# Altium PCB 掌控拓展板Ⅰ V2.1.PcbDoc (part 1 of 2)
Units mm, origin at the board's own origin, x right, y up, seen from the top; angles counter-clockwise.
Board outline 51.8 x 47.39 mm, 2 copper layers (Top Layer, Bottom Layer); 114 components, 77 nets, 340 pads, 218 vias.
Unrouted connection lines stored in the file: 2.
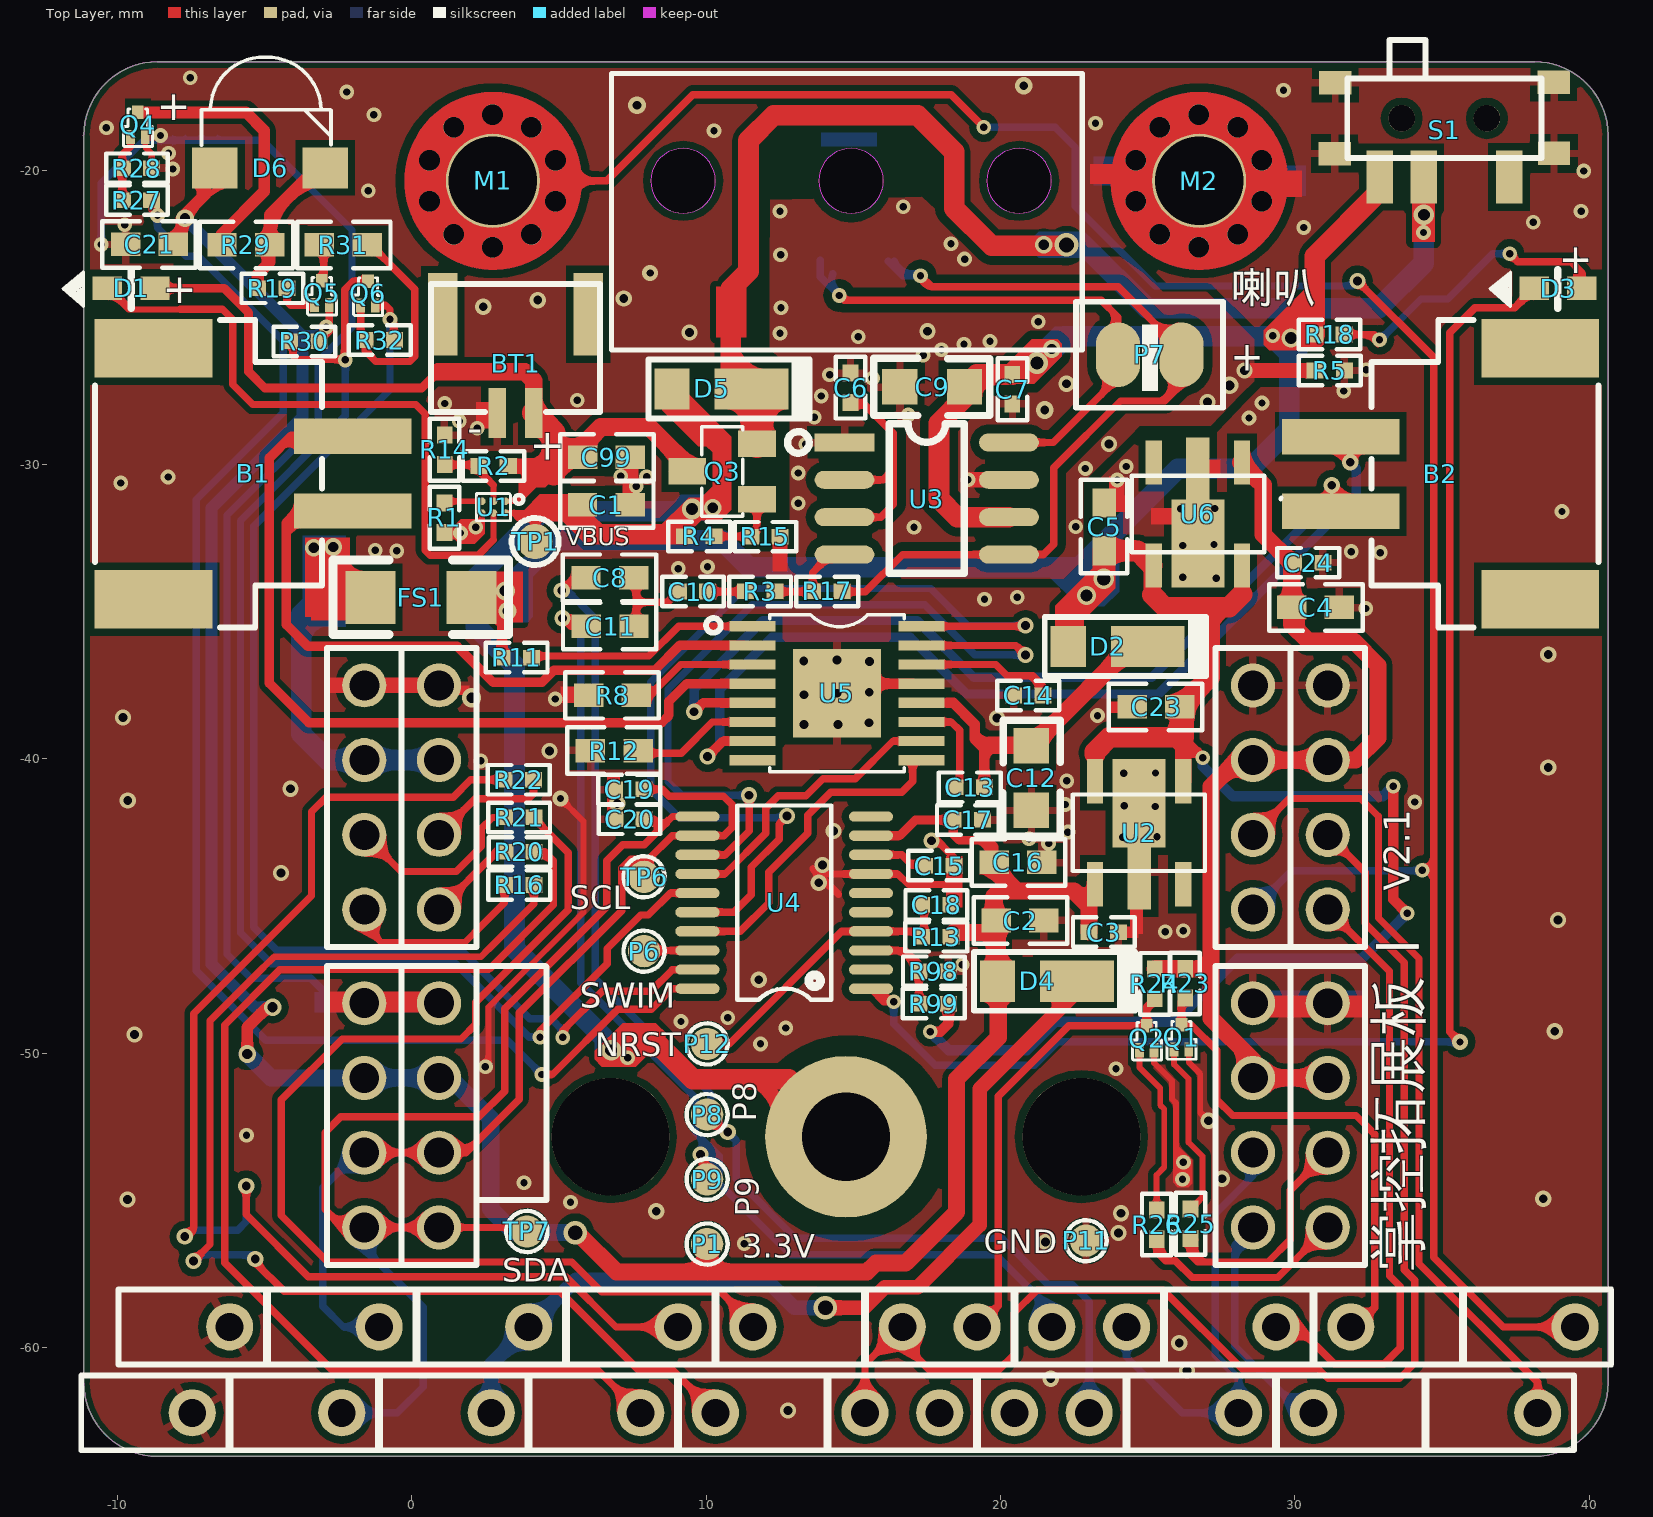
[diagram p0: Top Layer view]
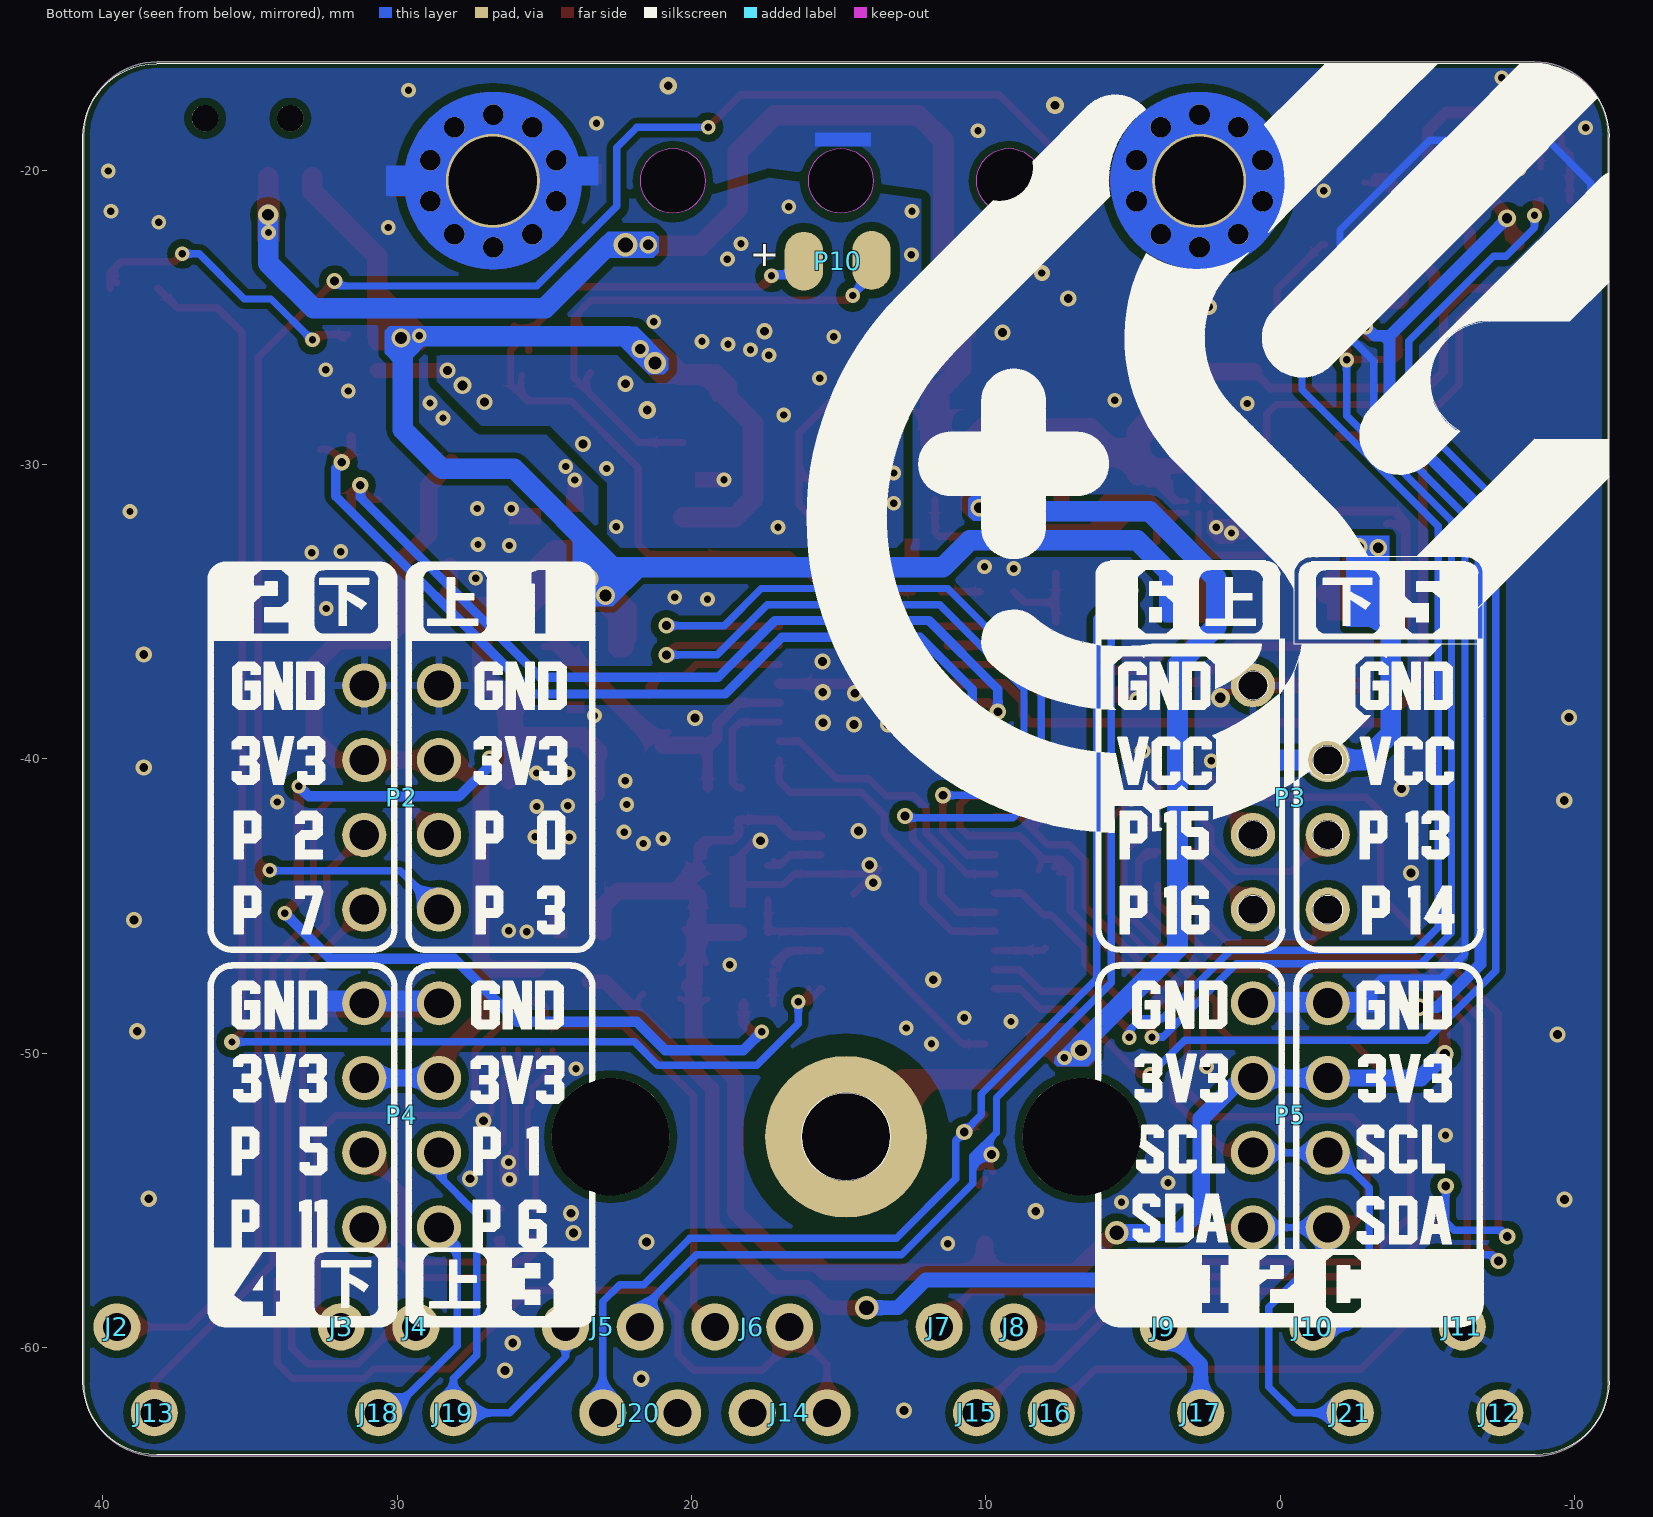
[diagram p1: Bottom Layer view, seen from below]

## Layer stack, top to bottom
Top Solder: solder mask 0.0102, Solder Resist, Dk 3.5
Top Layer: signal copper 0.0356
Dielectric 1: dielectric 0.32, FR-4, Dk 4.8
Bottom Layer: signal copper 0.0356
Bottom Solder: solder mask 0.0102, Solder Resist, Dk 3.5

## Board outline
-11.15,-61.2 ccw(c-8.643,-61.193) -8.65,-63.7 38.15,-63.7 ccw(c38.143,-61.192) 40.65,-61.2 40.65,-18.812 ccw(c38.143,-18.819) 38.15,-16.312 -8.65,-16.312 ccw(c-8.643,-18.82) -11.15,-18.812

## Design rules (kind name [scope] priority, off if disabled: settings)
Clearance Clearance_3 [InNet('AU_GND')] p1: gap=0.3 ignorepadtopadclearanceinfootprint=FALSE except(0: Arc-Hole Track-Hole SMDPad-Hole THPad-Hole Via-Hole Fill-Hole Poly-Hole Region-Hole Text-Hole)
Clearance Clearance_2 [IsVia] p2: gap=0.25 ignorepadtopadclearanceinfootprint=FALSE except(0: Arc-Hole Track-Hole SMDPad-Hole THPad-Hole Via-Hole Fill-Hole Poly-Hole Region-Hole Text-Hole)
Clearance Clearance_1 [IsPad] p3: gap=0.25 ignorepadtopadclearanceinfootprint=FALSE except(0: Arc-Hole Track-Hole SMDPad-Hole THPad-Hole Via-Hole Fill-Hole Poly-Hole Region-Hole Text-Hole)
Clearance [All] p4: gap=0.2 ignorepadtopadclearanceinfootprint=FALSE except(0: Arc-Hole Track-Hole SMDPad-Hole THPad-Hole Via-Hole Fill-Hole Poly-Hole Region-Hole Text-Hole)
PolygonConnect PolygonConnect_1 [IsVia] p1: connectstyle=Direct reliefconductorwidth=0.254 reliefentries=4 polygonreliefangle="90 Angle" airgapwidth=0.254
PolygonConnect [All] p2: connectstyle=Relief reliefconductorwidth=0.254 reliefentries=4 polygonreliefangle="90 Angle" airgapwidth=0.254
RoomDefinition Designator_3 [InComponentClass('Designator')] p1: confinementstyle=ConfineIn formatcopy=TRUE lockcomponents=FALSE outline -83.012,-124.865 -32.212,-124.865 -32.212,-99.465 -83.012,-99.465
RoomDefinition Designator_2 [InComponentClass('Designator')] p2: confinementstyle=ConfineIn formatcopy=TRUE lockcomponents=FALSE outline -83.012,-124.865 -32.212,-124.865 -32.212,-99.465 -83.012,-99.465
RoomDefinition Designator_1 [InComponentClass('Designator')] p3: confinementstyle=ConfineIn formatcopy=TRUE lockcomponents=FALSE outline -83.012,-124.865 -32.212,-124.865 -32.212,-99.465 -83.012,-99.465
RoomDefinition Designator [InComponentClass('Designator')] p4: confinementstyle=ConfineIn formatcopy=TRUE lockcomponents=FALSE outline -83.012,-124.865 -32.212,-124.865 -32.212,-99.465 -83.012,-99.465
RoutingVias [All] p1: holewidth=0.711 width=1.27 viastyle="Through Hole" minholewidth=0.711 minwidth=1.27 maxholewidth=0.711 maxwidth=1.27
SolderMaskExpansion [All] p1: expansion=0.102 istentingtop=FALSE
Width Width_13 [InNet('3V3_2')] p1: maxlimit=0.58 minlimit=0.25 preferedwidth=0.58 minimp=50.000000 maximp=50.000000 favimp=50.000000
Width Width_12 [InNet('NetD4_C')] p2: maxlimit=0.5 minlimit=0.5 preferedwidth=0.5
Width Width_11 [InNet('3V3_1')] p3: maxlimit=0.58 minlimit=0.25 preferedwidth=0.58 minimp=50.000000 maximp=50.000000 favimp=50.000000
Width Width_10 [InNet('NetD3_C')] p4: maxlimit=0.258 minlimit=0.258 preferedwidth=0.258
Width Width_9 [InNet('NetB2_2')] p5: maxlimit=0.32 minlimit=0.32 preferedwidth=0.32
Width Width_8 [InNet('NetB2_1')] p6: maxlimit=0.32 minlimit=0.32 preferedwidth=0.32
Width Width_7 [InNet('NetB1_2')] p7: maxlimit=0.32 minlimit=0.32 preferedwidth=0.32
Width Width_4 [InNet('NetB1_1')] p8: maxlimit=0.32 minlimit=0.32 preferedwidth=0.32
Width Width_6 [InNet('3V3_MCU')] p9: maxlimit=0.4 minlimit=0.4 preferedwidth=0.4
Width Width_5 [InNet('NetD5_C')] p10: maxlimit=1 minlimit=0.2 preferedwidth=0.7 minimp=50.000000 maximp=50.000000 favimp=50.000000
Width Width_3 [InNet('3V3')] p11: maxlimit=0.55 minlimit=0.25 preferedwidth=0.55 minimp=50.000000 maximp=50.000000 favimp=50.000000
Width Width_2 [InNet('VCC')] p12: maxlimit=1 minlimit=0.35 preferedwidth=0.7 minimp=50.000000 maximp=50.000000 favimp=50.000000
Width Width_1 [InNet('NetBT1_1')] p13: maxlimit=1 minlimit=0.2 preferedwidth=0.6 minimp=50.000000 maximp=50.000000 favimp=50.000000
Width [All] p14: maxlimit=1 minlimit=0.2 preferedwidth=0.25 minimp=50.000000 maximp=50.000000 favimp=50.000000
30 further rules are at their usual default settings.

## Classes and differential pairs
component class Designator: D4 FS1 J2 J3 J4 J5 J6 J7 J8 J9 J10 J11 J12 J13 J14 J15 J16 J17 J18 J19 J20 J21 M1 M2 P2 P3 P4 P5 Q1 Q2 R16 R20 R21 R22 R23 R24 R25 R26

## Components (designator, comment, footprint, x,y, rotation, side; value= is the part's Value field where it differs from the comment)
B1 "N20" 2PIN/2.54MM座子 -5.398,-30.312 r270 top locked
B2 "N20" 2PIN/2.54MM座子 34.95,-30.312 r90 top locked
BT1 "3.7V,350mAh" 立式CH1.25MM/2P 3.52,-26.567 r180 top locked
C1 "10uF" C0603 6.606,-31.361 r0 top
C2 "10uF" 0603 20.664,-45.492 r0 top
C3 "0.1uF" 0402 23.513,-45.887 r0 top
C4 "10uF" 0603 30.708,-34.853 r0 top
C5 "10uF" 0603 23.519,-32.115 r90 top
C6 "1uF" 0402 14.904,-27.384 r90 top
C7 "0.1uF" 0402 20.405,-27.438 r90 top
C8 "1uF" 0603 6.724,-33.844 r180 top
C9 "47uF" 0805 17.679,-27.355 r180 top
C10 "0.1uF" 0402 9.551,-34.313 r180 top
C11 "1uF" 0603 6.736,-35.49 r180 top
C12 "47UF" 0805 21.047,-40.649 r270 top
C13 "0.01uF" 0402 18.954,-40.964 r180 top
C14 "2.2uF" 0402 20.945,-37.845 r180 top
C15 "0.68uF" 0402 17.915,-43.625 r180 top
C16 "10uF" 0603 20.592,-43.52 r0 top
C17 "0.1uF" 0402 18.893,-42.072 r0 top
C18 "0.1uF" 0402 17.823,-44.962 r0 top
C19 "30pF" 0402 7.388,-41.032 r180 top
C20 "30pF" 0402 7.394,-42.052 r180 top
C21 "10uF" C0603 -8.919,-22.519 r180 top
C23 "10uF" 0603 25.288,-38.235 r180 top (schematic designator C12)
C24 "0.1uF" 0402 30.458,-33.333 r0 top
C99 "4.7uF" C0603 6.608,-29.753 r0 top (schematic designator C21)
D1 "红" 0603LED -9.541,-24.01 r0 top (schematic designator D4)
D2 "SBR2U30P1" POWERDI123 23.652,-36.179 r0 top
D3 "绿" 0603LED 38.949,-24.012 r0 top (schematic designator D2)
D4 "SBR2U30P1" POWERDI123 21.249,-47.558 r0 top
D5 "SBR2U30P1" POWERDI123 10.188,-27.428 r0 top
D6 "红外发射管" 贴片发射管 -4.823,-19.916 r0 top
FS1 "MF-NSMF200-2" R1206 0.301,-34.51 r0 top
J2 "" 顶针座子（2.54MM）#1 38.254,-59.304 r180 bottom locked
J3 "" 顶针座子（2.54MM）#2 33.174,-59.304 r180 bottom locked
J4 "" 顶针座子（2.54MM）#1 28.094,-59.304 r180 bottom locked
J5 "" 顶针座子（2.54MM）#3 23.014,-59.304 r180 bottom locked
J6 "" 顶针座子（2.54MM）#3 17.934,-59.304 r180 bottom locked
J7 "" 顶针座子（2.54MM）#2 12.854,-59.304 r180 bottom locked
J8 "" 顶针座子（2.54MM）#1 7.774,-59.304 r180 bottom locked
J9 "" 顶针座子（2.54MM）#1 2.694,-59.304 r180 bottom locked
J10 "" 顶针座子（2.54MM）#1 -2.386,-59.304 r180 bottom locked
J11 "" 顶针座子（2.54MM）#1 -7.466,-59.304 r180 bottom locked
J12 "" 顶针座子（2.54MM）#1 -8.736,-62.224 r180 bottom locked
J13 "" 顶针座子（2.54MM）#1 36.984,-62.224 r180 bottom locked
J14 "" 顶针座子（2.54MM）#3 16.664,-62.224 r180 bottom locked
J15 "" 顶针座子（2.54MM）#2 11.584,-62.224 r180 bottom locked
J16 "" 顶针座子（2.54MM）#1 6.504,-62.224 r180 bottom locked
J17 "" 顶针座子（2.54MM）#1 1.424,-62.224 r180 bottom locked
J18 "" 顶针座子（2.54MM）#2 31.904,-62.224 r180 bottom locked
J19 "" 顶针座子（2.54MM）#1 26.824,-62.224 r180 bottom locked
J20 "" 顶针座子（2.54MM）#3 21.744,-62.224 r180 bottom locked
J21 "" 顶针座子（2.54MM）#1 -3.656,-62.224 r180 bottom locked
M1 "" 3MM螺丝孔 2.75,-20.357 r180 top
M2 "" 3MM螺丝孔 26.75,-20.357 r180 top locked
P1 "3V3_1" 测试点#1 10.029,-56.487 r0 top
P2 "Header 4X2" 双拼弯角排针2.54/4P#1 29.85,-41.312 r90 bottom locked
P3 "Header 4X2" 双拼弯角排针2.54/4P#1 -0.349,-41.311 r90 bottom locked
P4 "Header 4X2" 双拼弯角排针2.54/4P#1 29.85,-52.112 r90 bottom locked
P5 "Header 4X2" 双拼弯角排针2.54/4P#2 -0.352,-51.91 r90 bottom locked
P6 "SWIM" 测试点#1 7.886,-46.532 r0 top
P7 "speaker" 焊盘#1 25.061,-26.267 r0 top (schematic designator BT1)
P8 "" 测试点#1 10.029,-52.087 r0 top
P9 "" 测试点#1 10.029,-54.287 r0 top
P10 "speaker" 焊盘#2 14.922,-20.357 r180 bottom (schematic designator BT1)
P11 "GND" 测试点#1 22.908,-56.373 r0 top (schematic designator P8)
P12 "NRST" 测试点#1 10.029,-49.687 r0 top (schematic designator P8)
Q1 "J3Y" "DFN 3L" 26.147,-49.457 r0 top
Q2 "J3Y" "DFN 3L" 24.968,-49.487 r0 top
Q3 "SI2301" SOT23-3 10.541,-30.233 r90 top
Q4 "J3Y" "DFN 3L" -9.314,-18.447 r0 top
Q5 "2TY" "DFN 3L" -3.063,-24.164 r0 top
Q6 "J3Y" "DFN 3L" -1.495,-24.179 r0 top
R1 "120K" R0402 1.106,-31.803 r270 top
R2 "0R" R0402 2.773,-30.047 r0 top
R3 "1K" 0402 11.832,-34.308 r180 top
R4 "1k" R0402 9.762,-32.44 r0 top
R5 "0R" 0402 31.19,-26.803 r0 top
R8 "0.2R" R0603 6.818,-37.839 r180 top
R11 "47K" 0402 3.557,-36.559 r180 top
R12 "0.2R" R0603 6.875,-39.719 r180 top
R13 "10K" 0402 17.819,-46.045 r0 top
R14 "NC" R0402 1.11,-29.498 r270 top
R15 "10k" R0402 12.013,-32.45 r0 top
R16 "200R" 0402 3.647,-44.285 r0 top
R17 "6.81K" 0402 14.112,-34.308 r180 top
R18 "2.2K" 0402 31.18,-25.578 r180 top
R19 "10K" R0402 -4.741,-24.009 r0 top
R20 "200R" 0402 3.654,-43.156 r180 top
R21 "200R" 0402 3.641,-41.99 r0 top
R22 "200R" 0402 3.628,-40.709 r0 top
R23 "NC" 0402 26.272,-47.632 r90 top
R24 "NC" 0402 25.247,-47.647 r90 top
R25 "1K" 0402 26.457,-55.8 r270 top
R26 "1K" 0402 25.308,-55.824 r270 top
R27 "1k" R0402 -9.344,-21.013 r0 top
R28 "100k" R0402 -9.344,-19.928 r180 top
R29 "5R" R0603 -5.644,-22.534 r0 top
R30 "10K" R0402 -3.656,-25.815 r0 top
R31 "5R" R0603 -2.332,-22.534 r0 top
R32 "2.2K" R0402 -1.096,-25.766 r180 top
R98 "200K" R0402 17.737,-47.216 r0 top (schematic designator R22)
R99 "200K" R0402 17.73,-48.317 r180 top (schematic designator R22)
S1 "SW-SPDT" MSK-12C01-07(1P2T) 35.084,-18.617 r0 top locked
TP1 "VIN" 测试点#2 4.186,-32.614 r0 top
TP6 "SCL" 测试点#1 7.886,-44.009 r180 top
TP7 "SDA" 测试点#1 3.907,-56.059 r180 top
U1 "SGM40567-4.3" SGM40567 2.772,-31.447 r270 top (schematic designator U7)
U2 "CE6210B33P" SOT89-5 24.711,-42.512 r0 top
U3 "MIX2002" SOP-8 17.493,-31.153 r0 top
U4 "'STM8S003F3P6" TSSOP-20 12.65,-44.885 r180 top (schematic designator U8)
U5 "DRV8833" "HTSSOP -16(PWP)" 14.443,-37.77 r270 top (schematic designator U6)
U6 "CE6210B33P" SOT89-5 26.705,-31.677 r180 top

## Footprints (in the part's own frame and the unit in brackets; to place one, negate y for a bottom-side part, rotate by r counter-clockwise, add the part's x,y. Pads: shape width x height; smd on the part's side, far side on the other; paste and mask are expansions set on the pad)
2PIN/2.54MM座子 [mm]
  rect 1.2x4 smd: 1(1.264,3.387) 2(-1.276,3.387)
  rect 2x4 smd: ""(-4.264,-3.387) ""(4.264,-3.387)
  silkscreen extent -5.22,-5.37 5.22,2.34
3MM螺丝孔 [mm]
  round 3.2 hole 3: 1(0,0)
  round 0.7 hole 0.7: 12(1.335,1.821) 13(0.012,2.251) 14(-1.311,1.82) 15(-2.128,0.694) 16(-2.129,-0.694) 18(-1.31,-1.821) 19(0.012,-2.249) 20(1.334,-1.82) 22(2.152,-0.696) 24(2.152,0.695)
  Top Layer drawing of 1328 lines, arcs and shapes, not listed
  Bottom Layer drawing of 1328 lines, arcs and shapes, not listed
0402 [mm]
  rect 0.58x0.53 smd: 1(0.5,0) 2(-0.5,0)
  silkscreen extent -1.05,-0.5 1.05,0.5
0603 [mm]
  rect 1x0.8 smd: 1(-0.81,0) 2(0.81,0)
  silkscreen extent -1.57,-0.79 1.6,0.79, body extent -0.81,-0.4 0.79,0.4, height 0.45
0603LED [mm]
  rect 1x0.8 smd: A(0.81,0) C(-0.81,0)
  silkscreen extent -2.31,-0.67 0,0.64
0805 [mm]
  rect 1.2x1.2 smd: 1(-1.1,0) 2(1.1,0)
  silkscreen extent -1.96,-0.96 1.98,0.98
C0603 [mm]
  rect 1x0.8 smd: 1(-0.81,0) 2(0.81,0)
  silkscreen extent -1.57,-0.79 1.6,0.79, body extent -0.8,-0.41 0.8,0.41, height 0.81
"DFN 3L" [mm]
  rect 0.3x0.48 smd: 1(-0.25,-0.415) 2(0.25,-0.415)
  rect 0.4x0.46 smd: 3(0,0.415)
  silkscreen extent -0.49,-0.75 0.5,0.53
"HTSSOP -16(PWP)" [mm] "ERP-321210028"
  rect 3x3 smd: 0(0,0)
  rect 0.35x1.57 smd: 1(-2.275,-2.87) 2(-1.625,-2.87) 3(-0.975,-2.87) 4(-0.325,-2.87) 5(0.325,-2.87) 6(0.975,-2.87) 7(1.625,-2.87) 8(2.275,-2.87) 9(2.275,2.87) 10(1.625,2.87) 11(0.975,2.87) 12(0.325,2.87) 13(-0.325,2.87) 14(-0.975,2.87) 15(-1.625,2.87) 16(-2.275,2.87)
  silkscreen extent -2.67,-4.45 2.67,2.29
MSK-12C01-07(1P2T) [mm] "贴片7脚拨动开关"
  rect 1.1x0.8 smd: 0(-3.727,-0.814) 0(-3.708,1.592) 0(3.718,1.615) 0(3.727,-0.808)
  round 0.9 hole 0.9: 0(-1.452,0.385) 0(1.448,0.385)
  rect 0.9x1.8 smd: 1(2.198,-1.615) 2(-2.202,-1.615) 3(-0.702,-1.615)
  silkscreen extent -3.3,-0.96 3.3,3.04
POWERDI123 [mm] "ERP-323110003"
  rect 1.2x1.4 smd: A(-1.35,0)
  rect 2.5x1.4 smd: C(1.35,0)
  silkscreen extent -2.15,-1 3.33,1
R0402 [mm]
  rect 0.58x0.53 smd: 1(0.5,0) 2(-0.5,0)
  silkscreen extent -1.05,-0.5 1.05,0.5, body extent -0.5,-0.25 0.5,0.25, height 0.3
R0603 [mm]
  rect 1x0.8 smd: 1(-0.81,0) 2(0.81,0)
  silkscreen extent -1.57,-0.79 1.6,0.79, body extent -0.8,-0.4 0.8,0.4, height 0.4
R1206 [mm]
  rect 1.7x1.8 smd: 1(-1.714,0) 2(1.714,0)
  silkscreen extent -2.98,-1.27 2.98,1.27, body extent -1.6,-0.8 1.6,0.8, height 0.55
SGM40567 [mm]
  round 0.26 smd mask+0.05: A1(-0.2,0.4) A2(0.2,0.4) B1(-0.2,0) B2(0.2,0) C1(-0.2,-0.4) C2(0.2,-0.4)
  silkscreen extent -0.46,-0.58 0.46,1.02, body extent -0.46,-0.58 0.46,0.58, height 0.55
SOP-8 [mil]
  rect 80x24 smd: 1(-110,75)
  oval 80x24 smd: 2(-110,25) 3(-110,-25) 4(-110,-75) 5(110,-75) 6(110,-25) 7(110,25) 8(110,75)
  silkscreen extent -50,-100 50,100
SOT23-3 [mm]
  rect 0.9x1.28 smd: 1(-0.95,-1.185) 2(0.95,-1.185) 3(0,1.185)
  silkscreen extent -1.52,-0.7 1.52,0.7, body extent -1.5,-1.32 1.5,1.32, height 1.08
SOT89-5 [mm]
  rect 0.55x1.5 smd: 1(-1.5,-1.75) 3(1.5,-1.75) 4(1.5,1.75) 5(-1.5,1.75)
  rect 1.8x3 smd: 2(0,1)
  rect 0.8x2.5 smd: 2(0,-1.35)
  silkscreen extent -2.26,-1.3 2.24,1.3
TSSOP-20 [mm]
  oval 1.5x0.35 smd: 1(-2.95,2.925) 2(-2.95,2.275) 3(-2.95,1.625) 4(-2.95,0.975) 5(-2.95,0.325) 6(-2.95,-0.325) 7(-2.95,-0.975) 8(-2.95,-1.625) 9(-2.95,-2.275) 10(-2.95,-2.925) 11(2.95,-2.925) 12(2.95,-2.275) 13(2.95,-1.625) 14(2.95,-0.975) 15(2.95,-0.325) 16(2.95,0.325) 17(2.95,0.975) 18(2.95,1.625) 19(2.95,2.275) 20(2.95,2.925)
  silkscreen extent -1.6,-3.3 1.6,3.3
双拼弯角排针2.54/4P#1 [mm]
  round 1.5 hole 1.016: 1(-3.81,-1.27) 2(-3.81,1.27) 3(-1.27,-1.27) 4(-1.27,1.27) 5(1.27,-1.27) 6(1.27,1.27) 7(3.81,-1.27) 8(3.81,1.27)
双拼弯角排针2.54/4P#2 [mm]
  round 1.5 hole 1.016: 1(-4.012,-1.269) 2(-4.012,1.271) 3(-1.472,-1.269) 4(-1.472,1.271) 5(1.068,-1.269) 6(1.068,1.271) 7(3.608,-1.269) 8(3.608,1.271)